# Altium PCB AD-FMComms3_revA.PcbDoc (part 4 of 6) (continued)
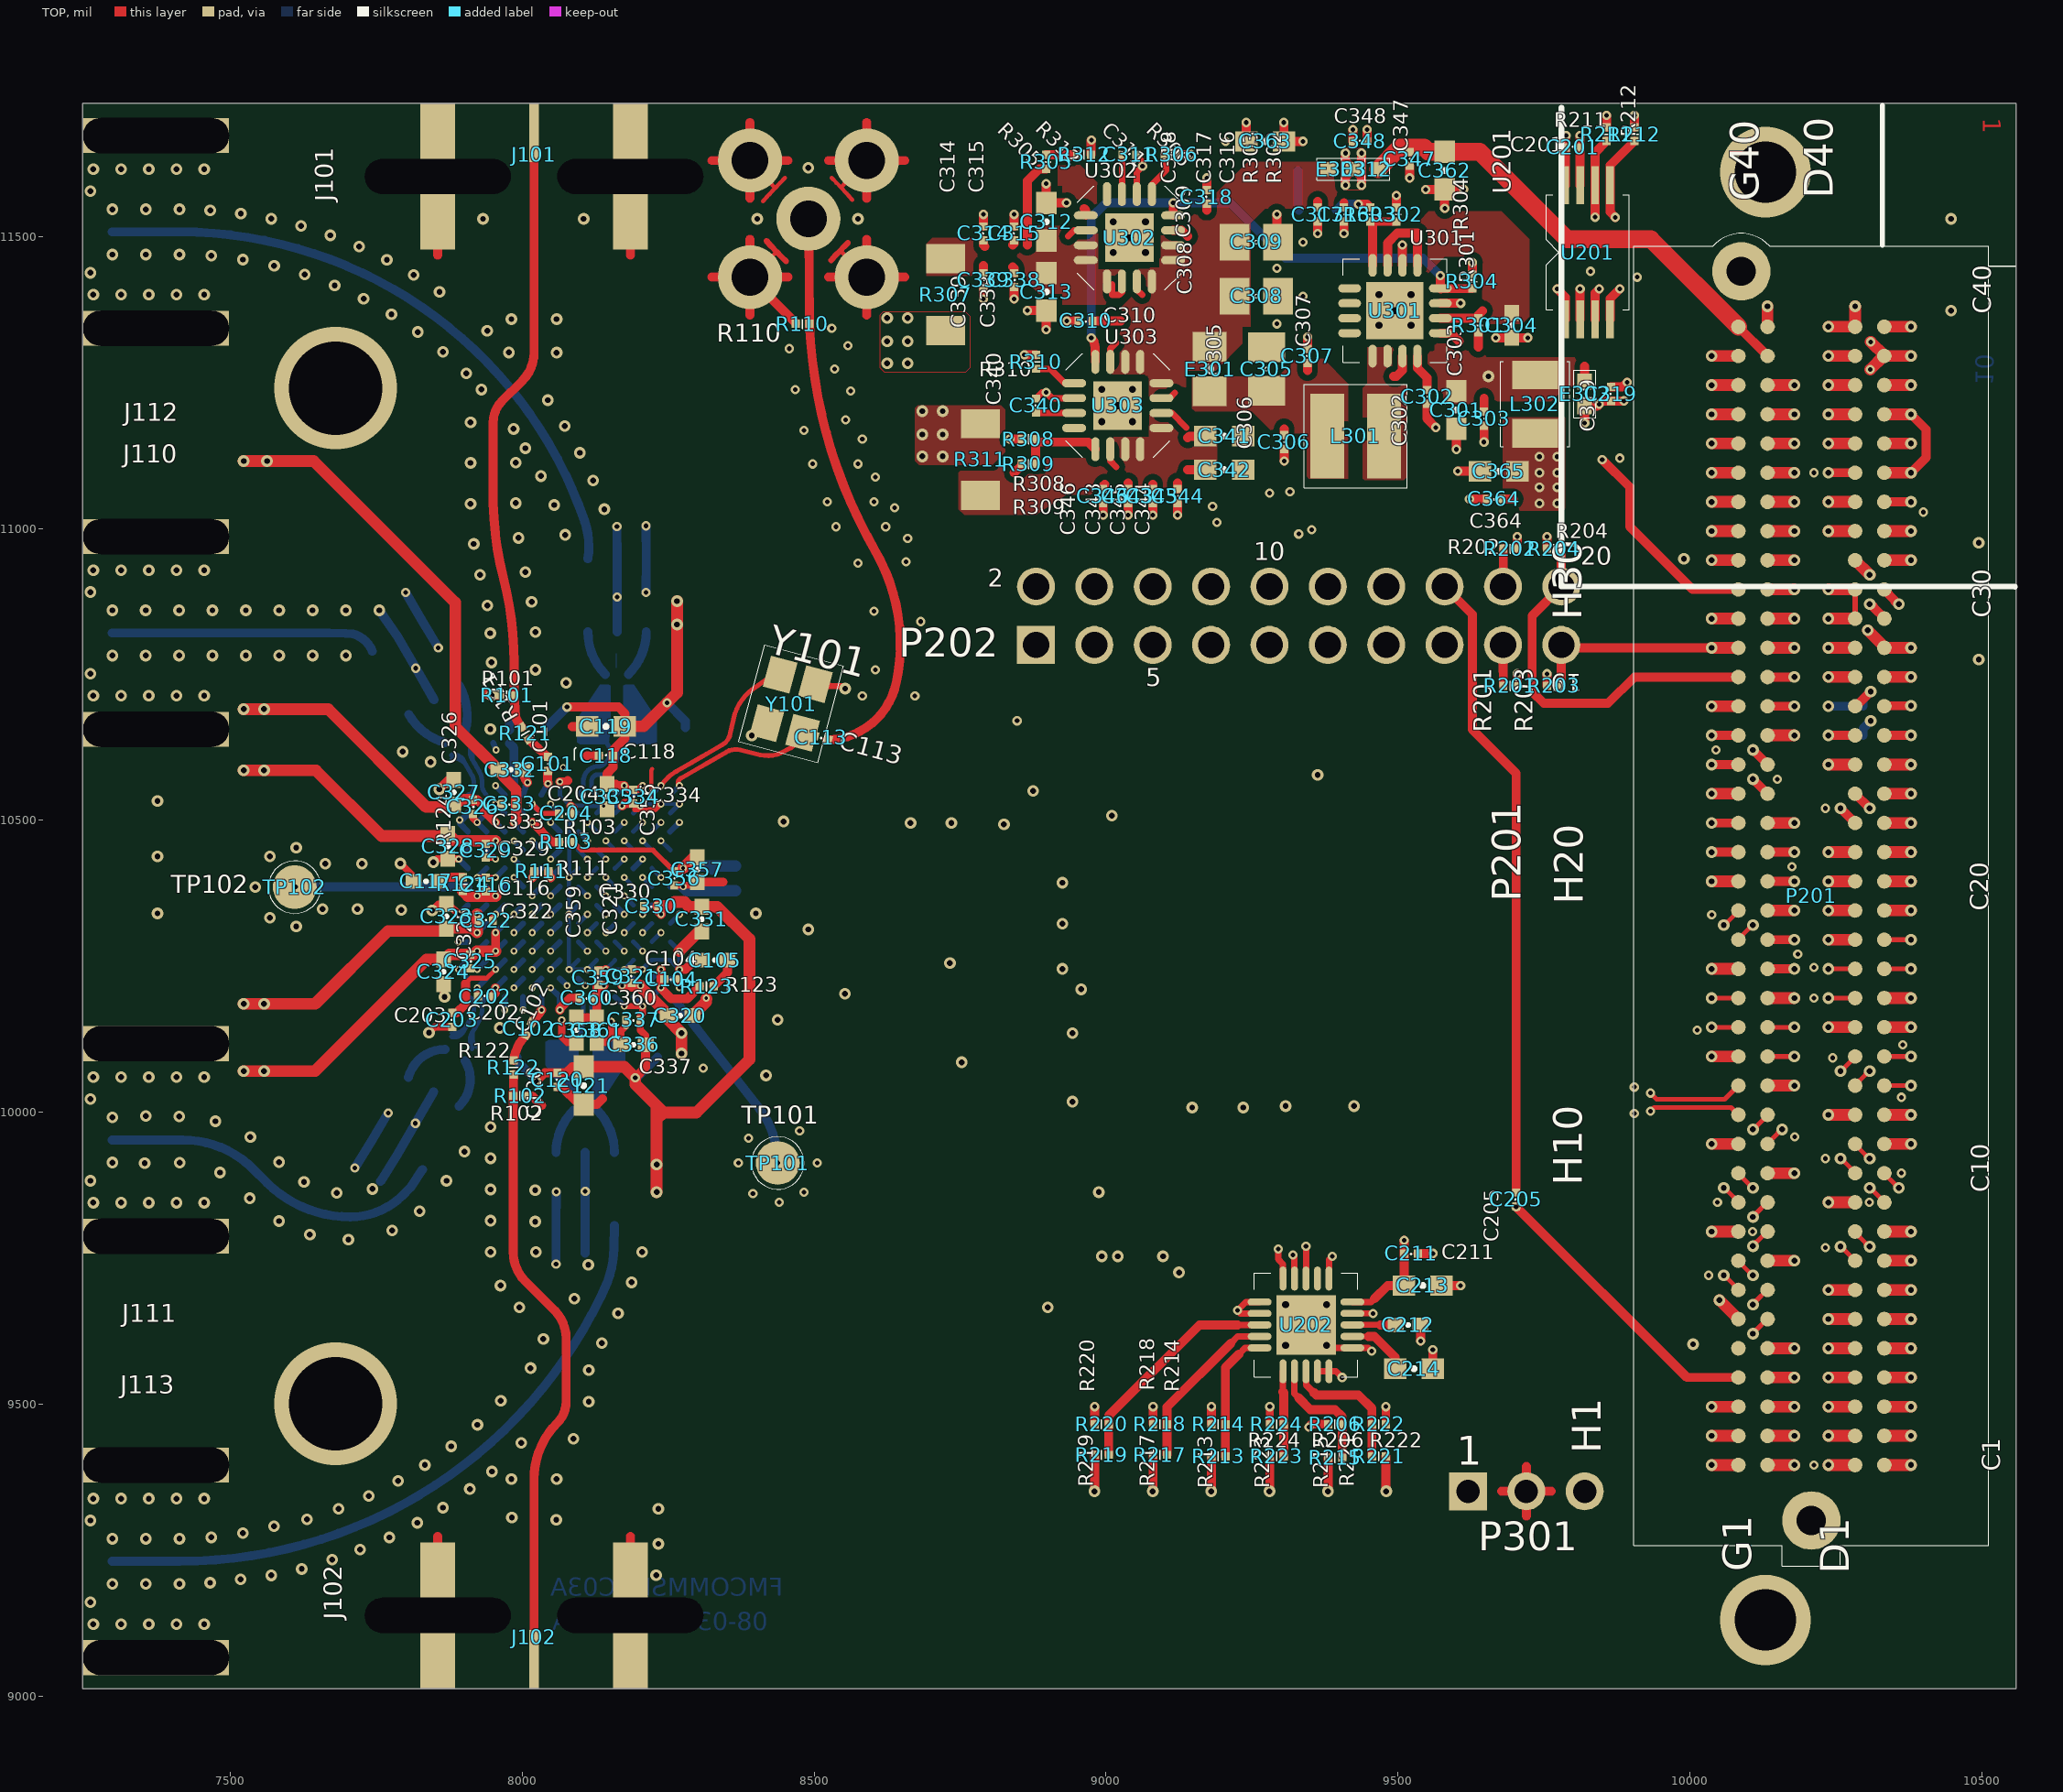
[diagram p0: TOP view]
## Other copper (continued)
  pour cut-out: 9020.87,10900.5 9019.48,10911.08 9015.39,10920.93 9008.9,10929.4 9000.43,10935.89 8990.58,10939.98 8980,10941.37 8969.42,10939.98 8959.57,10935.89 8951.1,10929.4 8944.61,10920.93 8940.52,10911.08 8939.13,10900.5 8940.52,10889.92 8944.61,10880.07 8951.1,10871.6 8959.57,10865.11 8969.42,10861.02 8980,10859.63 8990.58,10861.02 9000.43,10865.11 9008.9,10871.6 9015.39,10880.07 9019.48,10889.92 9020.87,10900.5
  pour cut-out: 9120.87,10900.5 9119.48,10911.08 9115.39,10920.93 9108.9,10929.4 9100.43,10935.89 9090.58,10939.98 9080,10941.37 9069.42,10939.98 9059.57,10935.89 9051.1,10929.4 9044.61,10920.93 9040.52,10911.08 9039.13,10900.5 9040.52,10889.92 9044.61,10880.07 9051.1,10871.6 9059.57,10865.11 9069.42,10861.02 9080,10859.63 9090.58,10861.02 9100.43,10865.11 9108.9,10871.6 9115.39,10880.07 9119.48,10889.92 9120.87,10900.5
  pour cut-out: 9020.87,10800.5 9019.48,10811.08 9015.39,10820.93 9008.9,10829.4 9000.43,10835.89 8990.58,10839.98 8980,10841.37 8969.42,10839.98 8959.57,10835.89 8951.1,10829.4 8944.61,10820.93 8940.52,10811.08 8939.13,10800.5 8940.52,10789.92 8944.61,10780.07 8951.1,10771.6 8959.57,10765.11 8969.42,10761.02 8980,10759.63 8990.58,10761.02 9000.43,10765.11 9008.9,10771.6 9015.39,10780.07 9019.48,10789.92 9020.87,10800.5
  pour cut-out: 9120.87,10800.5 9119.48,10811.08 9115.39,10820.93 9108.9,10829.4 9100.43,10835.89 9090.58,10839.98 9080,10841.37 9069.42,10839.98 9059.57,10835.89 9051.1,10829.4 9044.61,10820.93 9040.52,10811.08 9039.13,10800.5 9040.52,10789.92 9044.61,10780.07 9051.1,10771.6 9059.57,10765.11 9069.42,10761.02 9080,10759.63 9090.58,10761.02 9100.43,10765.11 9108.9,10771.6 9115.39,10780.07 9119.48,10789.92 9120.87,10800.5
  pour cut-out: 8920.87,10900.5 8919.48,10911.08 8915.39,10920.93 8908.9,10929.4 8900.43,10935.89 8890.58,10939.98 8880,10941.37 8869.42,10939.98 8859.57,10935.89 8851.1,10929.4 8844.61,10920.93 8840.52,10911.08 8839.13,10900.5 8840.52,10889.92 8844.61,10880.07 8851.1,10871.6 8859.57,10865.11 8869.42,10861.02 8880,10859.63 8890.58,10861.02 8900.43,10865.11 8908.9,10871.6 8915.39,10880.07 8919.48,10889.92 8920.87,10900.5
  pour cut-out: 8920.87,10800.5 8919.48,10811.08 8915.39,10820.93 8908.9,10829.4 8900.43,10835.89 8890.58,10839.98 8880,10841.37 8869.42,10839.98 8859.57,10835.89 8851.1,10829.4 8844.61,10820.93 8840.52,10811.08 8839.13,10800.5 8840.52,10789.92 8844.61,10780.07 8851.1,10771.6 8859.57,10765.11 8869.42,10761.02 8880,10759.63 8890.58,10761.02 8900.43,10765.11 8908.9,10771.6 8915.39,10780.07 8919.48,10789.92 8920.87,10800.5
  text "3" at 10502.03,11604.98 h31 r270
L4_GND:
  pour cut-out: 10146.57,11440.5 10145.45,11451.87 10142.13,11462.81 10136.75,11472.89 10129.49,11481.72 10120.66,11488.98 10110.58,11494.36 10099.64,11497.68 10088.27,11498.8 10076.9,11497.68 10065.96,11494.36 10059.24,11490.77 10055.88,11488.98 10047.05,11481.72 10039.79,11472.89 10034.41,11462.81 10031.09,11451.87 10029.97,11440.5 10031.09,11429.13 10034.41,11418.19 10039.79,11408.11 10047.05,11399.28 10055.88,11392.02 10059.24,11390.23 10065.96,11386.64 10076.9,11383.32 10088.27,11382.2 10099.64,11383.32 10110.58,11386.64 10120.66,11392.02 10129.49,11399.28 10136.75,11408.11 10142.13,11418.19 10145.45,11429.13 10146.57,11440.5
  pour cut-out: 10266.57,9300.5 10265.45,9311.87 10262.13,9322.81 10256.75,9332.89 10249.49,9341.72 10240.66,9348.98 10230.58,9354.36 10219.64,9357.68 10208.27,9358.8 10196.9,9357.68 10185.96,9354.36 10179.24,9350.77 10175.88,9348.98 10167.05,9341.72 10159.79,9332.89 10154.41,9322.81 10151.09,9311.87 10149.97,9300.5 10151.09,9289.13 10154.41,9278.19 10159.79,9268.11 10167.05,9259.28 10175.88,9252.02 10179.24,9250.23 10185.96,9246.64 10196.9,9243.32 10208.27,9242.2 10219.64,9243.32 10230.58,9246.64 10240.66,9252.02 10249.49,9259.28 10256.75,9268.11 10262.13,9278.19 10265.45,9289.13 10266.57,9300.5
  pour cut-out: 9860.87,9350.5 9859.48,9361.08 9855.39,9370.93 9848.9,9379.4 9840.43,9385.89 9830.58,9389.98 9820,9391.37 9809.42,9389.98 9799.57,9385.89 9791.1,9379.4 9784.61,9370.93 9780.52,9361.08 9779.13,9350.5 9780.52,9339.92 9784.61,9330.07 9791.1,9321.6 9799.57,9315.11 9809.42,9311.02 9820,9309.63 9830.58,9311.02 9840.43,9315.11 9848.9,9321.6 9855.39,9330.07 9859.48,9339.92 9860.87,9350.5
  pour cut-out: 9720.87,10900.5 9719.48,10911.08 9715.39,10920.93 9708.9,10929.4 9700.43,10935.89 9690.58,10939.98 9680,10941.37 9669.42,10939.98 9659.57,10935.89 9651.1,10929.4 9644.61,10920.93 9640.52,10911.08 9639.13,10900.5 9640.52,10889.92 9644.61,10880.07 9651.1,10871.6 9659.57,10865.11 9669.42,10861.02 9680,10859.63 9690.58,10861.02 9700.43,10865.11 9708.9,10871.6 9715.39,10880.07 9719.48,10889.92 9720.87,10900.5
  pour cut-out: 9820.87,10900.5 9819.48,10911.08 9815.39,10920.93 9808.9,10929.4 9800.43,10935.89 9790.58,10939.98 9780,10941.37 9769.42,10939.98 9759.57,10935.89 9751.1,10929.4 9744.61,10920.93 9740.52,10911.08 9739.13,10900.5 9740.52,10889.92 9744.61,10880.07 9751.1,10871.6 9759.57,10865.11 9769.42,10861.02 9780,10859.63 9790.58,10861.02 9800.43,10865.11 9808.9,10871.6 9815.39,10880.07 9819.48,10889.92 9820.87,10900.5
  pour cut-out: 9720.87,10800.5 9719.48,10811.08 9715.39,10820.93 9708.9,10829.4 9700.43,10835.89 9690.58,10839.98 9680,10841.37 9669.42,10839.98 9659.57,10835.89 9651.1,10829.4 9644.61,10820.93 9640.52,10811.08 9639.13,10800.5 9640.52,10789.92 9644.61,10780.07 9651.1,10771.6 9659.57,10765.11 9669.42,10761.02 9680,10759.63 9690.58,10761.02 9700.43,10765.11 9708.9,10771.6 9715.39,10780.07 9719.48,10789.92 9720.87,10800.5
  pour cut-out: 9820.87,10800.5 9819.48,10811.08 9815.39,10820.93 9808.9,10829.4 9800.43,10835.89 9790.58,10839.98 9780,10841.37 9769.42,10839.98 9759.57,10835.89 9751.1,10829.4 9744.61,10820.93 9740.52,10811.08 9739.13,10800.5 9740.52,10789.92 9744.61,10780.07 9751.1,10771.6 9759.57,10765.11 9769.42,10761.02 9780,10759.63 9790.58,10761.02 9800.43,10765.11 9808.9,10771.6 9815.39,10780.07 9819.48,10789.92 9820.87,10800.5
  pour cut-out: 9660.87,9350.5 9659.48,9361.08 9655.39,9370.93 9648.9,9379.4 9640.43,9385.89 9630.58,9389.98 9620,9391.37 9609.42,9389.98 9599.57,9385.89 9591.1,9379.4 9584.61,9370.93 9580.52,9361.08 9579.13,9350.5 9580.52,9339.92 9584.61,9330.07 9591.1,9321.6 9599.57,9315.11 9609.42,9311.02 9620,9309.63 9630.58,9311.02 9640.43,9315.11 9648.9,9321.6 9655.39,9330.07 9659.48,9339.92 9660.87,9350.5
  pour cut-out: 9760.87,9350.5 9759.48,9361.08 9755.39,9370.93 9748.9,9379.4 9740.43,9385.89 9730.58,9389.98 9720,9391.37 9709.42,9389.98 9699.57,9385.89 9691.1,9379.4 9684.61,9370.93 9680.52,9361.08 9679.13,9350.5 9680.52,9339.92 9684.61,9330.07 9691.1,9321.6 9699.57,9315.11 9709.42,9311.02 9720,9309.63 9730.58,9311.02 9740.43,9315.11 9748.9,9321.6 9755.39,9330.07 9759.48,9339.92 9760.87,9350.5
  pour cut-out: 9420.87,10900.5 9419.48,10911.08 9415.39,10920.93 9408.9,10929.4 9400.43,10935.89 9390.58,10939.98 9380,10941.37 9369.42,10939.98 9359.57,10935.89 9351.1,10929.4 9344.61,10920.93 9340.52,10911.08 9339.13,10900.5 9340.52,10889.92 9344.61,10880.07 9351.1,10871.6 9359.57,10865.11 9369.42,10861.02 9380,10859.63 9390.58,10861.02 9400.43,10865.11 9408.9,10871.6 9415.39,10880.07 9419.48,10889.92 9420.87,10900.5
  pour cut-out: 9520.87,10900.5 9519.48,10911.08 9515.39,10920.93 9508.9,10929.4 9500.43,10935.89 9490.58,10939.98 9480,10941.37 9469.42,10939.98 9459.57,10935.89 9451.1,10929.4 9444.61,10920.93 9440.52,10911.08 9439.13,10900.5 9440.52,10889.92 9444.61,10880.07 9451.1,10871.6 9459.57,10865.11 9469.42,10861.02 9480,10859.63 9490.58,10861.02 9500.43,10865.11 9508.9,10871.6 9515.39,10880.07 9519.48,10889.92 9520.87,10900.5
  pour cut-out: 9620.87,10900.5 9619.48,10911.08 9615.39,10920.93 9608.9,10929.4 9600.43,10935.89 9590.58,10939.98 9580,10941.37 9569.42,10939.98 9559.57,10935.89 9551.1,10929.4 9544.61,10920.93 9540.52,10911.08 9539.13,10900.5 9540.52,10889.92 9544.61,10880.07 9551.1,10871.6 9559.57,10865.11 9569.42,10861.02 9580,10859.63 9590.58,10861.02 9600.43,10865.11 9608.9,10871.6 9615.39,10880.07 9619.48,10889.92 9620.87,10900.5
  pour cut-out: 9420.87,10800.5 9419.48,10811.08 9415.39,10820.93 9408.9,10829.4 9400.43,10835.89 9390.58,10839.98 9380,10841.37 9369.42,10839.98 9359.57,10835.89 9351.1,10829.4 9344.61,10820.93 9340.52,10811.08 9339.13,10800.5 9340.52,10789.92 9344.61,10780.07 9351.1,10771.6 9359.57,10765.11 9369.42,10761.02 9380,10759.63 9390.58,10761.02 9400.43,10765.11 9408.9,10771.6 9415.39,10780.07 9419.48,10789.92 9420.87,10800.5
  pour cut-out: 9520.87,10800.5 9519.48,10811.08 9515.39,10820.93 9508.9,10829.4 9500.43,10835.89 9490.58,10839.98 9480,10841.37 9469.42,10839.98 9459.57,10835.89 9451.1,10829.4 9444.61,10820.93 9440.52,10811.08 9439.13,10800.5 9440.52,10789.92 9444.61,10780.07 9451.1,10771.6 9459.57,10765.11 9469.42,10761.02 9480,10759.63 9490.58,10761.02 9500.43,10765.11 9508.9,10771.6 9515.39,10780.07 9519.48,10789.92 9520.87,10800.5
  pour cut-out: 9620.87,10800.5 9619.48,10811.08 9615.39,10820.93 9608.9,10829.4 9600.43,10835.89 9590.58,10839.98 9580,10841.37 9569.42,10839.98 9559.57,10835.89 9551.1,10829.4 9544.61,10820.93 9540.52,10811.08 9539.13,10800.5 9540.52,10789.92 9544.61,10780.07 9551.1,10771.6 9559.57,10765.11 9569.42,10761.02 9580,10759.63 9590.58,10761.02 9600.43,10765.11 9608.9,10771.6 9615.39,10780.07 9619.48,10789.92 9620.87,10800.5
  pour cut-out: 9220.87,10900.5 9219.48,10911.08 9215.39,10920.93 9208.9,10929.4 9200.43,10935.89 9190.58,10939.98 9180,10941.37 9169.42,10939.98 9159.57,10935.89 9151.1,10929.4 9144.61,10920.93 9140.52,10911.08 9139.13,10900.5 9140.52,10889.92 9144.61,10880.07 9151.1,10871.6 9159.57,10865.11 9169.42,10861.02 9180,10859.63 9190.58,10861.02 9200.43,10865.11 9208.9,10871.6 9215.39,10880.07 9219.48,10889.92 9220.87,10900.5
  pour cut-out: 9320.87,10900.5 9319.48,10911.08 9315.39,10920.93 9308.9,10929.4 9300.43,10935.89 9290.58,10939.98 9280,10941.37 9269.42,10939.98 9259.57,10935.89 9251.1,10929.4 9244.61,10920.93 9240.52,10911.08 9239.13,10900.5 9240.52,10889.92 9244.61,10880.07 9251.1,10871.6 9259.57,10865.11 9269.42,10861.02 9280,10859.63 9290.58,10861.02 9300.43,10865.11 9308.9,10871.6 9315.39,10880.07 9319.48,10889.92 9320.87,10900.5
  pour cut-out: 9220.87,10800.5 9219.48,10811.08 9215.39,10820.93 9208.9,10829.4 9200.43,10835.89 9190.58,10839.98 9180,10841.37 9169.42,10839.98 9159.57,10835.89 9151.1,10829.4 9144.61,10820.93 9140.52,10811.08 9139.13,10800.5 9140.52,10789.92 9144.61,10780.07 9151.1,10771.6 9159.57,10765.11 9169.42,10761.02 9180,10759.63 9190.58,10761.02 9200.43,10765.11 9208.9,10771.6 9215.39,10780.07 9219.48,10789.92 9220.87,10800.5
  pour cut-out: 9320.87,10800.5 9319.48,10811.08 9315.39,10820.93 9308.9,10829.4 9300.43,10835.89 9290.58,10839.98 9280,10841.37 9269.42,10839.98 9259.57,10835.89 9251.1,10829.4 9244.61,10820.93 9240.52,10811.08 9239.13,10800.5 9240.52,10789.92 9244.61,10780.07 9251.1,10771.6 9259.57,10765.11 9269.42,10761.02 9280,10759.63 9290.58,10761.02 9300.43,10765.11 9308.9,10771.6 9315.39,10780.07 9319.48,10789.92 9320.87,10800.5
  pour cut-out: 9020.87,10900.5 9019.48,10911.08 9015.39,10920.93 9008.9,10929.4 9000.43,10935.89 8990.58,10939.98 8980,10941.37 8969.42,10939.98 8959.57,10935.89 8951.1,10929.4 8944.61,10920.93 8940.52,10911.08 8939.13,10900.5 8940.52,10889.92 8944.61,10880.07 8951.1,10871.6 8959.57,10865.11 8969.42,10861.02 8980,10859.63 8990.58,10861.02 9000.43,10865.11 9008.9,10871.6 9015.39,10880.07 9019.48,10889.92 9020.87,10900.5
  pour cut-out: 9120.87,10900.5 9119.48,10911.08 9115.39,10920.93 9108.9,10929.4 9100.43,10935.89 9090.58,10939.98 9080,10941.37 9069.42,10939.98 9059.57,10935.89 9051.1,10929.4 9044.61,10920.93 9040.52,10911.08 9039.13,10900.5 9040.52,10889.92 9044.61,10880.07 9051.1,10871.6 9059.57,10865.11 9069.42,10861.02 9080,10859.63 9090.58,10861.02 9100.43,10865.11 9108.9,10871.6 9115.39,10880.07 9119.48,10889.92 9120.87,10900.5
  pour cut-out: 9020.87,10800.5 9019.48,10811.08 9015.39,10820.93 9008.9,10829.4 9000.43,10835.89 8990.58,10839.98 8980,10841.37 8969.42,10839.98 8959.57,10835.89 8951.1,10829.4 8944.61,10820.93 8940.52,10811.08 8939.13,10800.5 8940.52,10789.92 8944.61,10780.07 8951.1,10771.6 8959.57,10765.11 8969.42,10761.02 8980,10759.63 8990.58,10761.02 9000.43,10765.11 9008.9,10771.6 9015.39,10780.07 9019.48,10789.92 9020.87,10800.5
  pour cut-out: 9120.87,10800.5 9119.48,10811.08 9115.39,10820.93 9108.9,10829.4 9100.43,10835.89 9090.58,10839.98 9080,10841.37 9069.42,10839.98 9059.57,10835.89 9051.1,10829.4 9044.61,10820.93 9040.52,10811.08 9039.13,10800.5 9040.52,10789.92 9044.61,10780.07 9051.1,10771.6 9059.57,10765.11 9069.42,10761.02 9080,10759.63 9090.58,10761.02 9100.43,10765.11 9108.9,10771.6 9115.39,10780.07 9119.48,10789.92 9120.87,10800.5
  pour cut-out: 8920.87,10900.5 8919.48,10911.08 8915.39,10920.93 8908.9,10929.4 8900.43,10935.89 8890.58,10939.98 8880,10941.37 8869.42,10939.98 8859.57,10935.89 8851.1,10929.4 8844.61,10920.93 8840.52,10911.08 8839.13,10900.5 8840.52,10889.92 8844.61,10880.07 8851.1,10871.6 8859.57,10865.11 8869.42,10861.02 8880,10859.63 8890.58,10861.02 8900.43,10865.11 8908.9,10871.6 8915.39,10880.07 8919.48,10889.92 8920.87,10900.5
  pour cut-out: 8920.87,10800.5 8919.48,10811.08 8915.39,10820.93 8908.9,10829.4 8900.43,10835.89 8890.58,10839.98 8880,10841.37 8869.42,10839.98 8859.57,10835.89 8851.1,10829.4 8844.61,10820.93 8840.52,10811.08 8839.13,10800.5 8840.52,10789.92 8844.61,10780.07 8851.1,10771.6 8859.57,10765.11 8869.42,10761.02 8880,10759.63 8890.58,10761.02 8900.43,10765.11 8908.9,10771.6 8915.39,10780.07 8919.48,10789.92 8920.87,10800.5
  text "4" at 10502.03,11554.98 h31 r270
L5_SIG:
  pour cut-out: 10353.05,11110.44 10352.86,11110.15 10352.65,11109.87 10352.42,11109.61 10352.16,11109.37 10351.88,11109.16 10351.59,11108.97 10351.28,11108.81 10350.96,11108.68 10350.63,11108.57 10350.28,11108.5 10349.94,11108.45 10349.59,11108.43 10349.24,11108.45 10348.9,11108.49 10348.55,11108.57 10348.22,11108.67 10347.9,11108.81 10347.59,11108.97 10347.3,11109.15 10347.02,11109.36 10346.76,11109.6 10267.65,11188.71 10267.41,11188.97 10267.2,11189.24 10267.01,11189.54 10266.85,11189.85 10266.72,11190.17 10266.61,11190.5 10266.54,11190.84 10266.49,11191.19 10266.48,11191.54 10266.49,11191.89 10266.54,11192.23 10266.62,11192.58 10266.72,11192.91 10266.85,11193.23 10267.02,11193.54 10267.2,11193.83 10267.42,11194.11 10267.65,11194.37 10267.91,11194.6 10268.19,11194.82 10268.48,11195 10268.79,11195.17 10269.11,11195.3 10269.45,11195.4 10269.79,11195.48 10270.13,11195.52 10270.48,11195.54 10278.19,11195.54 10325.69,11148.04 10375.69,11148.04 10395.04,11128.69 10395.04,11127.35 10395.02,11127 10394.98,11126.66 10394.9,11126.31 10394.8,11125.98 10394.66,11125.66 10394.5,11125.35 10394.31,11125.06 10394.1,11124.78 10393.86,11124.52 10393.61,11124.29 10393.33,11124.07 10393.04,11123.89 10392.73,11123.73 10392.4,11123.59 10392.07,11123.49 10391.73,11123.41 10391.38,11123.37 10391.03,11123.35 10390.69,11123.37 10390.34,11123.42 10390,11123.49 10389.67,11123.6 10389.63,11123.61 10387.14,11124.42 10384.59,11125.01 10382,11125.38 10379.38,11125.52 10376.76,11125.43 10374.16,11125.11 10371.6,11124.57 10369.1,11123.81 10366.67,11122.83 10364.33,11121.64 10362.11,11120.26 10360.02,11118.68 10358.07,11116.93 10356.28,11115.02 10354.67,11112.96 10353.24,11110.76 10353.05,11110.44
  pour cut-out: 8605.69,11192.96 8549.31,11192.96 8541.06,11201.21 8540.82,11201.47 8540.61,11201.74 8540.42,11202.04 8540.26,11202.35 8540.13,11202.67 8540.02,11203 8539.95,11203.34 8539.9,11203.69 8539.89,11204.04 8539.9,11204.39 8539.95,11204.73 8540.03,11205.08 8540.13,11205.41 8540.26,11205.73 8540.43,11206.04 8540.61,11206.33 8540.83,11206.61 8541.06,11206.87 8541.32,11207.1 8541.6,11207.32 8541.89,11207.5 8542.2,11207.67 8542.52,11207.8 8542.86,11207.9 8543.2,11207.98 8543.54,11208.02 8543.89,11208.04 8655.38,11208.04 8655.38,11205.88 8655.35,11205.72 8655.21,11204.72 8654.99,11202.96 8615.69,11202.96 8605.69,11192.96
  pour cut-out: 180 vertices and 0 holes, not listed, extent 10229.74,11292.96 10312.92,11360.49
  pour cut-out: 8468.19,11175.53 8486.44,11157.29 8486.68,11157.03 8486.89,11156.76 8487.08,11156.46 8487.24,11156.15 8487.37,11155.83 8487.48,11155.5 8487.55,11155.16 8487.6,11154.81 8487.61,11154.46 8487.6,11154.11 8487.55,11153.77 8487.47,11153.42 8487.37,11153.09 8487.24,11152.77 8487.07,11152.46 8486.89,11152.17 8486.67,11151.89 8486.44,11151.63 8486.18,11151.4 8485.9,11151.18 8485.61,11151 8485.3,11150.83 8484.98,11150.7 8484.64,11150.6 8484.3,11150.52 8483.96,11150.48 8483.61,11150.46 8451.81,11150.46 8433.56,11168.71 8433.32,11168.97 8433.11,11169.24 8432.93,11169.54 8432.77,11169.85 8432.63,11170.17 8432.53,11170.5 8432.45,11170.84 8432.41,11171.19 8432.39,11171.54 8432.41,11171.89 8432.46,11172.23 8432.53,11172.57 8432.64,11172.91 8432.77,11173.23 8432.93,11173.54 8433.12,11173.83 8433.33,11174.11 8433.57,11174.36 8433.83,11174.6 8434.1,11174.81 8434.4,11175 8434.71,11175.16 8435.03,11175.29 8435.36,11175.4 8435.71,11175.47 8436.05,11175.52 8436.39,11175.53 8468.19,11175.53
  pour cut-out: 8665.69,11092.96 8441.81,11092.96 8436.06,11098.71 8435.82,11098.97 8435.61,11099.24 8435.42,11099.54 8435.26,11099.85 8435.13,11100.17 8435.02,11100.5 8434.95,11100.84 8434.9,11101.19 8434.89,11101.54 8434.9,11101.89 8434.95,11102.23 8435.03,11102.58 8435.13,11102.91 8435.26,11103.23 8435.43,11103.54 8435.61,11103.83 8435.83,11104.11 8436.06,11104.37 8436.32,11104.6 8436.6,11104.82 8436.89,11105 8437.2,11105.17 8437.52,11105.3 8437.86,11105.4 8438.2,11105.48 8438.54,11105.52 8438.89,11105.54 8644.31,11105.54 8651.15,11112.37 8651.41,11112.61 8651.68,11112.82 8651.98,11113.01 8652.29,11113.17 8652.61,11113.3 8652.94,11113.41 8653.28,11113.48 8653.63,11113.53 8653.98,11113.54 8654.32,11113.53 8654.67,11113.48 8655.01,11113.41 8655.34,11113.3 8655.67,11113.17 8655.98,11113.01 8656.27,11112.82 8656.55,11112.61 8656.8,11112.37 8657.04,11112.11 8657.25,11111.84 8657.44,11111.54 8657.6,11111.23 8657.62,11111.19 8658.8,11108.85 8660.17,11106.62 8661.74,11104.52 8663.48,11102.57 8665.39,11100.77 8666.37,11099.96 8666.63,11099.73 8666.88,11099.48 8667.1,11099.21 8667.29,11098.92 8667.47,11098.62 8667.61,11098.3 8667.72,11097.97 8667.81,11097.63 8667.87,11097.29 8667.89,11096.94 8667.89,11096.59 8667.85,11096.24 8667.79,11095.9 8667.69,11095.57 8667.57,11095.24 8667.42,11094.93 8667.24,11094.63 8667.03,11094.34 8666.81,11094.08 8666.72,11093.99 8665.69,11092.96
  pour cut-out: 7909.31,11123.04 7919.31,11123.04 7971.81,11175.54 7973.61,11175.54 7973.96,11175.52 7974.3,11175.48 7974.65,11175.4 7974.98,11175.3 7975.3,11175.17 7975.61,11175 7975.91,11174.82 7976.18,11174.6 7976.44,11174.37 7976.68,11174.11 7976.89,11173.83 7977.08,11173.54 7977.24,11173.23 7977.37,11172.91 7977.47,11172.57 7977.55,11172.23 7977.6,11171.89 7977.61,11171.54 7977.6,11171.19 7977.55,11170.84 7977.47,11170.5 7977.37,11170.17 7977.24,11169.85 7977.07,11169.54 7976.89,11169.24 7976.67,11168.97 7976.44,11168.71 7923.19,11115.46 7911.39,11115.46 7911.04,11115.48 7910.7,11115.52 7910.35,11115.6 7910.02,11115.7 7909.7,11115.83 7909.39,11116 7909.09,11116.18 7908.82,11116.4 7908.56,11116.63 7908.32,11116.89 7908.11,11117.17 7907.92,11117.46 7907.76,11117.77 7907.63,11118.09 7907.53,11118.43 7907.45,11118.77 7907.4,11119.11 7907.39,11119.46 7907.4,11119.81 7907.45,11120.16 7907.53,11120.5 7907.63,11120.83 7907.76,11121.15 7907.93,11121.46 7908.11,11121.76 7908.33,11122.03 7908.56,11122.29 7909.31,11123.04
  pour cut-out: 218 vertices and 0 holes, not listed, extent 7347.46,10257.96 7507.61,10423.48
  pour cut-out: 7592.53,10532.31 7500.04,10439.81 7500.04,10344.39 7500.02,10344.04 7499.98,10343.7 7499.9,10343.35 7499.8,10343.02 7499.66,10342.7 7499.5,10342.39 7499.32,10342.09 7499.1,10341.82 7498.87,10341.56 7498.61,10341.32 7498.33,10341.11 7498.04,10340.92 7497.73,10340.76 7497.41,10340.63 7497.07,10340.53 7496.73,10340.45 7496.39,10340.4 7496.04,10340.39 7495.69,10340.4 7495.34,10340.45 7495,10340.53 7494.67,10340.63 7494.35,10340.76 7494.04,10340.93 7493.74,10341.11 7493.47,10341.33 7493.21,10341.56 7452.46,10382.31 7452.46,10487.31 7404.98,10534.8 7404.91,10535.52 7404.58,10538.12 7404.02,10540.68 7403.24,10543.18 7402.24,10545.6 7401.04,10547.92 7399.64,10550.14 7398.59,10551.56 7398.39,10551.84 7398.21,10552.14 7398.06,10552.46 7397.93,10552.78 7397.84,10553.12 7397.77,10553.46 7397.74,10553.81 7397.73,10554.16 7397.76,10554.51 7397.82,10554.85 7397.9,10555.19 7398.02,10555.52 7398.16,10555.84 7398.33,10556.14 7398.53,10556.43 7398.75,10556.7 7398.99,10556.95 7399.26,10557.18 7399.54,10557.39 7399.84,10557.56 7400.15,10557.72 7400.48,10557.84 7400.82,10557.93 7401.16,10558 7401.51,10558.03 7401.74,10558.04 7430.69,10558.04 7463.19,10525.54 7564.31,10525.54 7585.71,10546.94 7585.97,10547.18 7586.24,10547.39 7586.54,10547.57 7586.85,10547.73 7587.17,10547.87 7587.5,10547.97 7587.84,10548.05 7588.19,10548.09 7588.54,10548.11 7588.89,10548.09 7589.23,10548.04 7589.57,10547.97 7589.91,10547.86 7590.23,10547.73 7590.54,10547.57 7590.83,10547.38 7591.11,10547.17 7591.36,10546.93 7591.6,10546.67 7591.81,10546.4 7592,10546.1 7592.16,10545.79 7592.29,10545.47 7592.4,10545.14 7592.47,10544.79 7592.52,10544.45 7592.53,10544.11 7592.53,10532.31
  pour cut-out: 7407.54,10456.52 7407.52,10456.17 7407.48,10455.83 7407.4,10455.48 7407.3,10455.15 7407.17,10454.83 7407,10454.52 7406.82,10454.22 7406.6,10453.95 7406.37,10453.69 7406.11,10453.45 7405.83,10453.24 7405.54,10453.05 7405.23,10452.89 7404.91,10452.76 7404.58,10452.65 7404.23,10452.58 7403.89,10452.53 7403.54,10452.52 7403.19,10452.53 7402.84,10452.58 7402.5,10452.65 7402.17,10452.76 7401.85,10452.89 7401.54,10453.05 7401.24,10453.24 7400.97,10453.45 7400.71,10453.69 7400.47,10453.94 7400.26,10454.22 7400.18,10454.34 7398.66,10456.47 7396.96,10458.47 7395.09,10460.3 7393.07,10461.97 7390.92,10463.45 7388.64,10464.74 7386.25,10465.83 7383.79,10466.71 7381.25,10467.36 7378.67,10467.8 7376.06,10468 7373.44,10467.98 7370.83,10467.73 7368.26,10467.25 7365.73,10466.56 7363.28,10465.64 7360.91,10464.51 7358.66,10463.18 7356.52,10461.66 7354.53,10459.96 7354.23,10459.68 7353.97,10459.45 7353.69,10459.24 7353.39,10459.06 7353.08,10458.91 7352.75,10458.78 7352.42,10458.68 7352.07,10458.61 7351.73,10458.57 7351.38,10458.57 7351.03,10458.59 7350.68,10458.64 7350.35,10458.72 7350.02,10458.84 7349.7,10458.98 7349.39,10459.14 7349.1,10459.34 7348.83,10459.56 7348.57,10459.8 7348.34,10460.06 7348.14,10460.34 7347.96,10460.64 7347.8,10460.95 7347.67,10461.28 7347.58,10461.61 7347.51,10461.95 7347.47,10462.3 7347.46,10462.56 7347.46,10508.44 7347.48,10508.79 7347.52,10509.13 7347.6,10509.48 7347.7,10509.81 7347.84,10510.13 7348,10510.44 7348.19,10510.73 7348.4,10511.01 7348.64,10511.27 7348.89,10511.5 7349.17,10511.71 7349.47,10511.9 7349.78,10512.06 7350.1,10512.19 7350.43,10512.3 7350.77,10512.37 7351.12,10512.42 7351.47,10512.43 7351.81,10512.42 7352.16,10512.37 7352.5,10512.3 7352.83,10512.19 7353.16,10512.06 7353.47,10511.9 7353.76,10511.71 7354.04,10511.49 7354.23,10511.32 7356.2,10509.59 7358.31,10508.04 7360.55,10506.69 7362.9,10505.53 7365.34,10504.58 7367.85,10503.85 7370.42,10503.33 7372.48,10503.09 7373.2,10503.02 7407.54,10468.69 7407.54,10456.52
  pour cut-out: 10123.19,11295.54 10186.72,11232.01 10186.96,11231.75 10187.17,11231.48 10187.36,11231.18 10187.52,11230.87 10187.65,11230.55 10187.76,11230.22 10187.83,11229.88 10187.88,11229.53 10187.89,11229.18 10187.88,11228.83 10187.83,11228.49 10187.76,11228.15 10187.65,11227.81 10187.52,11227.49 10187.36,11227.18 10187.17,11226.89 10186.96,11226.61 10186.73,11226.35 10186.47,11226.12 10186.19,11225.91 10185.9,11225.72 10185.59,11225.56 10185.27,11225.42 10184.93,11225.32 10184.59,11225.24 10184.25,11225.2 10183.9,11225.18 10183.55,11225.19 10183.33,11225.22 10180.72,11225.48 10178.1,11225.5 10175.49,11225.3 10172.91,11224.88 10170.37,11224.23 10167.9,11223.36 10165.52,11222.28 10163.24,11220.99 10161.07,11219.51 10159.32,11218.09 10157.91,11216.86 10086.06,11288.71 10085.82,11288.97 10085.61,11289.24 10085.42,11289.54 10085.26,11289.85 10085.13,11290.17 10085.02,11290.5 10084.95,11290.84 10084.9,11291.19 10084.89,11291.54 10084.9,11291.89 10084.95,11292.23 10085.03,11292.58 10085.13,11292.91 10085.26,11293.23 10085.43,11293.54 10085.61,11293.83 10085.83,11294.11 10086.06,11294.37 10086.32,11294.6 10086.6,11294.82 10086.89,11295 10087.2,11295.17 10087.52,11295.3 10087.86,11295.4 10088.2,11295.48 10088.54,11295.52 10088.89,11295.54 10123.19,11295.54
  pour cut-out: 7905.69,10007.96 7846.81,10007.96 7823.56,10031.21 7823.32,10031.47 7823.11,10031.74 7822.92,10032.04 7822.76,10032.35 7822.63,10032.67 7822.52,10033 7822.45,10033.34 7822.4,10033.69 7822.39,10034.04 7822.4,10034.39 7822.45,10034.73 7822.53,10035.08 7822.63,10035.41 7822.76,10035.73 7822.93,10036.04 7823.11,10036.33 7823.33,10036.61 7823.56,10036.87 7823.82,10037.1 7824.1,10037.32 7824.39,10037.5 7824.7,10037.67 7825.02,10037.8 7825.36,10037.9 7825.7,10037.98 7826.04,10038.02 7826.39,10038.04 7976.81,10038.04 7994.62,10055.85 7994.88,10056.09 7995.15,10056.3 7995.45,10056.49 7995.76,10056.65 7996.08,10056.78 7996.41,10056.89 7996.75,10056.96 7997.1,10057.01 7997.45,10057.02 7997.8,10057.01 7998.14,10056.96 7998.48,10056.89 7998.81,10056.78 7999.14,10056.65 7999.45,10056.49 7999.74,10056.3 8000.02,10056.09 8000.28,10055.85 8000.51,10055.6 8000.72,10055.32 8000.91,10055.03 8001.07,10054.72 8001.21,10054.4 8001.31,10054.06 8001.39,10053.72 8001.39,10053.71 8001.91,10051.32 8002.64,10048.99 8003.57,10046.73 8004.69,10044.56 8006,10042.49 8007.48,10040.55 8009.13,10038.74 8010.93,10037.08 8012.86,10035.59 8014.92,10034.27 8017.09,10033.14 8019.34,10032.19 8019.38,10032.18 8019.7,10032.05 8020.01,10031.88 8020.3,10031.7 8020.58,10031.48 8020.84,10031.25 8021.07,10030.99 8021.28,10030.71 8021.47,10030.42 8021.63,10030.11 8021.76,10029.78 8021.87,10029.45 8021.94,10029.11 8021.99,10028.76 8022,10028.41 8021.98,10028.07 8021.94,10027.72 8021.86,10027.38 8021.75,10027.05 8021.62,10026.73 8021.46,10026.42 8021.27,10026.12 8021.06,10025.85 8020.83,10025.6 8018.19,10022.96 7920.69,10022.96 7905.69,10007.96
  pour cut-out: 9872.97,9350.5 9871.17,9364.21 9865.88,9376.99 9857.46,9387.96 9846.49,9396.38 9833.71,9401.67 9820,9403.47 9806.29,9401.67 9793.51,9396.38 9782.54,9387.96 9774.12,9376.99 9768.83,9364.21 9767.03,9350.5 9768.83,9336.79 9774.12,9324.01 9782.54,9313.04 9793.51,9304.62 9806.29,9299.33 9820,9297.53 9833.71,9299.33 9846.49,9304.62 9857.46,9313.04 9865.88,9324.01 9871.17,9336.79 9872.97,9350.5
  pour cut-out: 9672.97,9350.5 9671.17,9364.21 9665.88,9376.99 9657.46,9387.96 9646.49,9396.38 9633.71,9401.67 9620,9403.47 9606.29,9401.67 9593.51,9396.38 9582.54,9387.96 9574.12,9376.99 9568.83,9364.21 9567.03,9350.5 9568.83,9336.79 9574.12,9324.01 9582.54,9313.04 9593.51,9304.62 9606.29,9299.33 9620,9297.53 9633.71,9299.33 9646.49,9304.62 9657.46,9313.04 9665.88,9324.01 9671.17,9336.79 9672.97,9350.5
  pour cut-out: 9760.87,9350.5 9759.48,9361.08 9755.39,9370.93 9748.9,9379.4 9740.43,9385.89 9730.58,9389.98 9720,9391.37 9709.42,9389.98 9699.57,9385.89 9691.1,9379.4 9684.61,9370.93 9680.52,9361.08 9679.13,9350.5 9680.52,9339.92 9684.61,9330.07 9691.1,9321.6 9699.57,9315.11 9709.42,9311.02 9720,9309.63 9730.58,9311.02 9740.43,9315.11 9748.9,9321.6 9755.39,9330.07 9759.48,9339.92 9760.87,9350.5
  text "5" at 10502.03,11504.98 h31 r270

## Text inside footprints (layer, text, board x,y; h text height)
R218: PIN_NUMBER "1" at 9070.5,9465.5 h25; PIN_NUMBER "2" at 9094.5,9465.5 h25; PAD_STACK_NAME "14X14" at 9000.1,9341.5 h50; PAD_STACK_NAME "R0201" at 9003.5,9562.5 h50; DISPLAY_TOP "QA/XXX" at 9163.1,9465.5 h31 r90; DISPLAY_TOP "26JAN09" at 8890.7,9465.5 h31 r90; DISPLAY_TOP "10XXX09" at 9190.7,9465.5 h31 r90; DISPLAY_TOP "ADI/DML" at 8845.7,9465.5 h31 r90; ASSEMBLY_TOP "UPN" at 9127.5,9465.5 h25 r90; ASSEMBLY_TOP "1" at 9117.5,9465.5 h25 r90; ASSEMBLY_TOP "16K" at 9052.3,9465.5 h25 r90
R219: PIN_NUMBER "1" at 8970.5,9413 h25; PIN_NUMBER "2" at 8994.5,9413 h25; PAD_STACK_NAME "14X14" at 8900.1,9289 h50; PAD_STACK_NAME "R0201" at 8903.5,9510 h50; DISPLAY_TOP "QA/XXX" at 9063.1,9413 h31 r90; DISPLAY_TOP "26JAN09" at 8790.7,9413 h31 r90; DISPLAY_TOP "10XXX09" at 9090.7,9413 h31 r90; DISPLAY_TOP "ADI/DML" at 8745.7,9413 h31 r90; ASSEMBLY_TOP "UPN" at 9027.5,9413 h25 r90; ASSEMBLY_TOP "1" at 9017.5,9413 h25 r90; ASSEMBLY_TOP "10K" at 8952.3,9413 h25 r90
R220: PIN_NUMBER "1" at 8970.5,9465.5 h25; PIN_NUMBER "2" at 8994.5,9465.5 h25; PAD_STACK_NAME "14X14" at 8900.1,9341.5 h50; PAD_STACK_NAME "R0201" at 8903.5,9562.5 h50; DISPLAY_TOP "QA/XXX" at 9063.1,9465.5 h31 r90; DISPLAY_TOP "26JAN09" at 8790.7,9465.5 h31 r90; DISPLAY_TOP "10XXX09" at 9090.7,9465.5 h31 r90; DISPLAY_TOP "ADI/DML" at 8745.7,9465.5 h31 r90; ASSEMBLY_TOP "UPN" at 9027.5,9465.5 h25 r90; ASSEMBLY_TOP "1" at 9017.5,9465.5 h25 r90; ASSEMBLY_TOP "16K" at 8952.3,9465.5 h25 r90
R221: PIN_NUMBER "1" at 9469.5,9410.5 h25 r180; PIN_NUMBER "2" at 9445.5,9410.5 h25 r180; PAD_STACK_NAME "14X14" at 9359.9,9534.5 h50 r180; PAD_STACK_NAME "R0201" at 9356.5,9313.5 h50 r180; DISPLAY_TOP "QA/XXX" at 9248.1,9410.5 h31 r270; DISPLAY_TOP "26JAN09" at 9495.7,9410.5 h31 r270; DISPLAY_TOP "10XXX09" at 9195.7,9410.5 h31 r270; DISPLAY_TOP "ADI/DML" at 9540.7,9410.5 h31 r270; ASSEMBLY_TOP "UPN" at 9372.5,9410.5 h25 r270; ASSEMBLY_TOP "1" at 9422.5,9410.5 h25 r270; ASSEMBLY_TOP "10K" at 9447.7,9410.5 h25 r270
R222: PIN_NUMBER "1" at 9469.5,9465.5 h25 r180; PIN_NUMBER "2" at 9445.5,9465.5 h25 r180; PAD_STACK_NAME "14X14" at 9359.9,9589.5 h50 r180; PAD_STACK_NAME "R0201" at 9356.5,9368.5 h50 r180; DISPLAY_TOP "QA/XXX" at 9248.1,9465.5 h31 r270; DISPLAY_TOP "26JAN09" at 9495.7,9465.5 h31 r270; DISPLAY_TOP "10XXX09" at 9195.7,9465.5 h31 r270; DISPLAY_TOP "ADI/DML" at 9540.7,9465.5 h31 r270; ASSEMBLY_TOP "UPN" at 9372.5,9465.5 h25 r270; ASSEMBLY_TOP "1" at 9422.5,9465.5 h25 r270; ASSEMBLY_TOP "16K" at 9447.7,9465.5 h25 r270
R223: PIN_NUMBER "1" at 9270.5,9410.5 h25; PIN_NUMBER "2" at 9294.5,9410.5 h25; PAD_STACK_NAME "14X14" at 9200.1,9286.5 h50; PAD_STACK_NAME "R0201" at 9203.5,9507.5 h50; DISPLAY_TOP "QA/XXX" at 9363.1,9410.5 h31 r90; DISPLAY_TOP "26JAN09" at 9090.7,9410.5 h31 r90; DISPLAY_TOP "10XXX09" at 9390.7,9410.5 h31 r90; DISPLAY_TOP "ADI/DML" at 9045.7,9410.5 h31 r90; ASSEMBLY_TOP "UPN" at 9327.5,9410.5 h25 r90; ASSEMBLY_TOP "1" at 9317.5,9410.5 h25 r90; ASSEMBLY_TOP "10K" at 9252.3,9410.5 h25 r90
R224: PIN_NUMBER "1" at 9270.5,9465.5 h25; PIN_NUMBER "2" at 9294.5,9465.5 h25; PAD_STACK_NAME "14X14" at 9200.1,9341.5 h50; PAD_STACK_NAME "R0201" at 9203.5,9562.5 h50; DISPLAY_TOP "QA/XXX" at 9363.1,9465.5 h31 r90; DISPLAY_TOP "26JAN09" at 9090.7,9465.5 h31 r90; DISPLAY_TOP "10XXX09" at 9390.7,9465.5 h31 r90; DISPLAY_TOP "ADI/DML" at 9045.7,9465.5 h31 r90; ASSEMBLY_TOP "UPN" at 9327.5,9465.5 h25 r90; ASSEMBLY_TOP "1" at 9317.5,9465.5 h25 r90; ASSEMBLY_TOP "16K" at 9252.3,9465.5 h25 r90
R225: PIN_NUMBER "2" at 10263,10695.5 h25; PIN_NUMBER "1" at 10287,10695.5 h25; ASSEMBLY_BOTTOM "UPN" at 10190,10695.5 h25 r270; ASSEMBLY_BOTTOM "1" at 10240,10695.5 h25 r270; ASSEMBLY_BOTTOM "49.9" at 10255.2,10695.5 h25 r270; PAD_STACK_NAME "14X14" at 10177.4,10571.5 h50; PAD_STACK_NAME "R0201" at 10174,10792.5 h50; DISPLAY_BOTTOM "QA/XXX" at 10065.6,10695.5 h31 r270; DISPLAY_BOTTOM "26JAN09" at 10313.2,10695.5 h31 r270; DISPLAY_BOTTOM "10XXX09" at 10013.2,10695.5 h31 r270; DISPLAY_BOTTOM "ADI/DML" at 10358.2,10695.5 h31 r270
R226: PIN_NUMBER "2" at 10263,10645.5 h25; PIN_NUMBER "1" at 10287,10645.5 h25; ASSEMBLY_BOTTOM "UPN" at 10190,10645.5 h25 r270; ASSEMBLY_BOTTOM "1" at 10240,10645.5 h25 r270; ASSEMBLY_BOTTOM "10K" at 10265.2,10645.5 h25 r270; PAD_STACK_NAME "14X14" at 10177.4,10521.5 h50; PAD_STACK_NAME "R0201" at 10174,10742.5 h50; DISPLAY_BOTTOM "QA/XXX" at 10065.6,10645.5 h31 r270; DISPLAY_BOTTOM "26JAN09" at 10313.2,10645.5 h31 r270; DISPLAY_BOTTOM "10XXX09" at 10013.2,10645.5 h31 r270; DISPLAY_BOTTOM "ADI/DML" at 10358.2,10645.5 h31 r270
R301: PIN_NUMBER "1" at 9627.5,11360 h25 r270; PIN_NUMBER "2" at 9627.5,11336 h25 r270; PAD_STACK_NAME "14X14" at 9413.5,11340.4 h50 r270; PAD_STACK_NAME "R0201" at 9634.5,11337 h50 r270; DISPLAY_TOP "QA/XXX" at 9563.1,11203 h31; DISPLAY_TOP "26JAN09" at 9550.7,11463 h31; DISPLAY_TOP "10XXX09" at 9550.7,11163 h31; DISPLAY_TOP "ADI/DML" at 9550.7,11508 h31; ASSEMBLY_TOP "UPN" at 9607.5,11283 h25; ASSEMBLY_TOP "1" at 9627.5,11313 h25; ASSEMBLY_TOP "10" at 9617.5,11358.2 h25
R302: PIN_NUMBER "1" at 9487.5,11550 h25 r270; PIN_NUMBER "2" at 9487.5,11526 h25 r270; PAD_STACK_NAME "14X14" at 9273.5,11530.4 h50 r270; PAD_STACK_NAME "R0201" at 9494.5,11527 h50 r270; DISPLAY_TOP "QA/XXX" at 9423.1,11393 h31; DISPLAY_TOP "26JAN09" at 9410.7,11653 h31; DISPLAY_TOP "10XXX09" at 9410.7,11353 h31; DISPLAY_TOP "ADI/DML" at 9410.7,11698 h31; ASSEMBLY_TOP "UPN" at 9467.5,11473 h25; ASSEMBLY_TOP "1" at 9487.5,11503 h25; ASSEMBLY_TOP "10K" at 9467.5,11548.2 h25
R303: PIN_NUMBER "2" at 9442.5,11550 h25 r90; PIN_NUMBER "1" at 9442.5,11526 h25 r90; PAD_STACK_NAME "14X14" at 9476.5,11545.6 h50 r90; PAD_STACK_NAME "R0201" at 9255.5,11549 h50 r90; DISPLAY_TOP "QA/XXX" at 9378.1,11683 h31 r180; DISPLAY_TOP "26JAN09" at 9365.7,11423 h31 r180; DISPLAY_TOP "10XXX09" at 9365.7,11723 h31 r180; DISPLAY_TOP "ADI/DML" at 9365.7,11378 h31 r180; ASSEMBLY_TOP "UPN" at 9422.5,11603 h25 r180; ASSEMBLY_TOP "1" at 9442.5,11573 h25 r180; ASSEMBLY_TOP "20K" at 9422.5,11527.8 h25 r180
R304: PIN_NUMBER "1" at 9617.5,11411 h25 r90; PIN_NUMBER "2" at 9617.5,11435 h25 r90; PAD_STACK_NAME "14X14" at 9651.5,11430.6 h50 r90; PAD_STACK_NAME "R0201" at 9430.5,11434 h50 r90; DISPLAY_TOP "QA/XXX" at 9553.1,11568 h31 r180; DISPLAY_TOP "26JAN09" at 9540.7,11308 h31 r180; DISPLAY_TOP "10XXX09" at 9540.7,11608 h31 r180; DISPLAY_TOP "ADI/DML" at 9540.7,11263 h31 r180; ASSEMBLY_TOP "UPN" at 9597.5,11488 h25 r180; ASSEMBLY_TOP "1" at 9617.5,11458 h25 r180; ASSEMBLY_TOP "10K" at 9597.5,11412.8 h25 r180
R305: PIN_NUMBER "1" at 8887.5,11640 h25 r270; PIN_NUMBER "2" at 8887.5,11616 h25 r270; PAD_STACK_NAME "14X14" at 8673.5,11620.4 h50 r270; PAD_STACK_NAME "R0201" at 8894.5,11617 h50 r270; DISPLAY_TOP "QA/XXX" at 8823.1,11483 h31; DISPLAY_TOP "26JAN09" at 8810.7,11743 h31; DISPLAY_TOP "10XXX09" at 8810.7,11443 h31; DISPLAY_TOP "ADI/DML" at 8810.7,11788 h31; ASSEMBLY_TOP "UPN" at 8867.5,11563 h25; ASSEMBLY_TOP "1" at 8887.5,11593 h25; ASSEMBLY_TOP "16K" at 8867.5,11638.2 h25
R306: PIN_NUMBER "2" at 9114.5,11640.5 h25; PIN_NUMBER "1" at 9090.5,11640.5 h25; PAD_STACK_NAME "14X14" at 9020.1,11516.5 h50; PAD_STACK_NAME "R0201" at 9023.5,11737.5 h50; DISPLAY_TOP "QA/XXX" at 9183.1,11640.5 h31 r90; DISPLAY_TOP "26JAN09" at 8910.7,11640.5 h31 r90; DISPLAY_TOP "10XXX09" at 9210.7,11640.5 h31 r90; DISPLAY_TOP "ADI/DML" at 8865.7,11640.5 h31 r90; ASSEMBLY_TOP "UPN" at 9147.5,11640.5 h25 r90; ASSEMBLY_TOP "1" at 9137.5,11640.5 h25 r90; ASSEMBLY_TOP "10K" at 9072.3,11640.5 h25 r90
R307: PIN_NUMBER "2" at 8715,11339 h25 r270; PIN_NUMBER "1" at 8715,11462 h25 r270; PAD_STACK_NAME "1206a" at 8750,11400.5 h50 r270; PAD_STACK_NAME "50x67x73" at 8505.8,11400.5 h31 r270; ASSEMBLY_TOP "0" at 8720,11410.5 h25; ASSEMBLY_TOP "0" at 8720,11375.5 h25; ASSEMBLY_TOP "UPN" at 8695,11340.5 h25
R308: PIN_NUMBER "1" at 8845.5,11153 h25; PIN_NUMBER "2" at 8869.5,11153 h25; PAD_STACK_NAME "14X14" at 8775.1,11029 h50; PAD_STACK_NAME "R0201" at 8778.5,11250 h50; DISPLAY_TOP "QA/XXX" at 8938.1,11153 h31 r90; DISPLAY_TOP "26JAN09" at 8665.7,11153 h31 r90; DISPLAY_TOP "10XXX09" at 8965.7,11153 h31 r90; DISPLAY_TOP "ADI/DML" at 8620.7,11153 h31 r90; ASSEMBLY_TOP "UPN" at 8902.5,11153 h25 r90; ASSEMBLY_TOP "1" at 8892.5,11153 h25 r90; ASSEMBLY_TOP "10K" at 8827.3,11153 h25 r90
R309: PIN_NUMBER "1" at 8869.5,11110.5 h25 r180; PIN_NUMBER "2" at 8845.5,11110.5 h25 r180; PAD_STACK_NAME "14X14" at 8759.9,11234.5 h50 r180; PAD_STACK_NAME "R0201" at 8756.5,11013.5 h50 r180; DISPLAY_TOP "QA/XXX" at 8648.1,11110.5 h31 r270; DISPLAY_TOP "26JAN09" at 8895.7,11110.5 h31 r270; DISPLAY_TOP "10XXX09" at 8595.7,11110.5 h31 r270; DISPLAY_TOP "ADI/DML" at 8940.7,11110.5 h31 r270; ASSEMBLY_TOP "UPN" at 8772.5,11110.5 h25 r270; ASSEMBLY_TOP "1" at 8822.5,11110.5 h25 r270; ASSEMBLY_TOP "16K" at 8847.7,11110.5 h25 r270
R310: PIN_NUMBER "2" at 8870,11297.5 h25 r90; PIN_NUMBER "1" at 8870,11273.5 h25 r90; PAD_STACK_NAME "14X14" at 8904,11293.1 h50 r90; PAD_STACK_NAME "R0201" at 8683,11296.5 h50 r90; DISPLAY_TOP "QA/XXX" at 8805.6,11430.5 h31 r180; DISPLAY_TOP "26JAN09" at 8793.2,11170.5 h31 r180; DISPLAY_TOP "10XXX09" at 8793.2,11470.5 h31 r180; DISPLAY_TOP "ADI/DML" at 8793.2,11125.5 h31 r180; ASSEMBLY_TOP "UPN" at 8850,11350.5 h25 r180; ASSEMBLY_TOP "1" at 8870,11320.5 h25 r180; ASSEMBLY_TOP "10K" at 8850,11275.3 h25 r180
R311: PIN_NUMBER "2" at 8775,11179.5 h25 r90; PIN_NUMBER "1" at 8775,11056.5 h25 r90; PAD_STACK_NAME "1206a" at 8560,11118 h50 r90; PAD_STACK_NAME "50x67x73" at 8805.8,11118 h31 r90; ASSEMBLY_TOP "0" at 8770,11108 h25 r180; ASSEMBLY_TOP "0" at 8770,11143 h25 r180; ASSEMBLY_TOP "UPN" at 8755,11178 h25 r180
R312: PIN_NUMBER "1" at 8964.5,11640.5 h25 r180; PIN_NUMBER "2" at 8940.5,11640.5 h25 r180; PAD_STACK_NAME "14X14" at 8854.9,11764.5 h50 r180; PAD_STACK_NAME "R0201" at 8851.5,11543.5 h50 r180; DISPLAY_TOP "QA/XXX" at 8743.1,11640.5 h31 r270; DISPLAY_TOP "26JAN09" at 8990.7,11640.5 h31 r270; DISPLAY_TOP "10XXX09" at 8690.7,11640.5 h31 r270; DISPLAY_TOP "ADI/DML" at 9035.7,11640.5 h31 r270; ASSEMBLY_TOP "UPN" at 8867.5,11640.5 h25 r270; ASSEMBLY_TOP "1" at 8917.5,11640.5 h25 r270; ASSEMBLY_TOP "10K" at 8942.7,11640.5 h25 r270